# Altium PCB PCB2.PcbDoc (part 1 of 3) (continued)
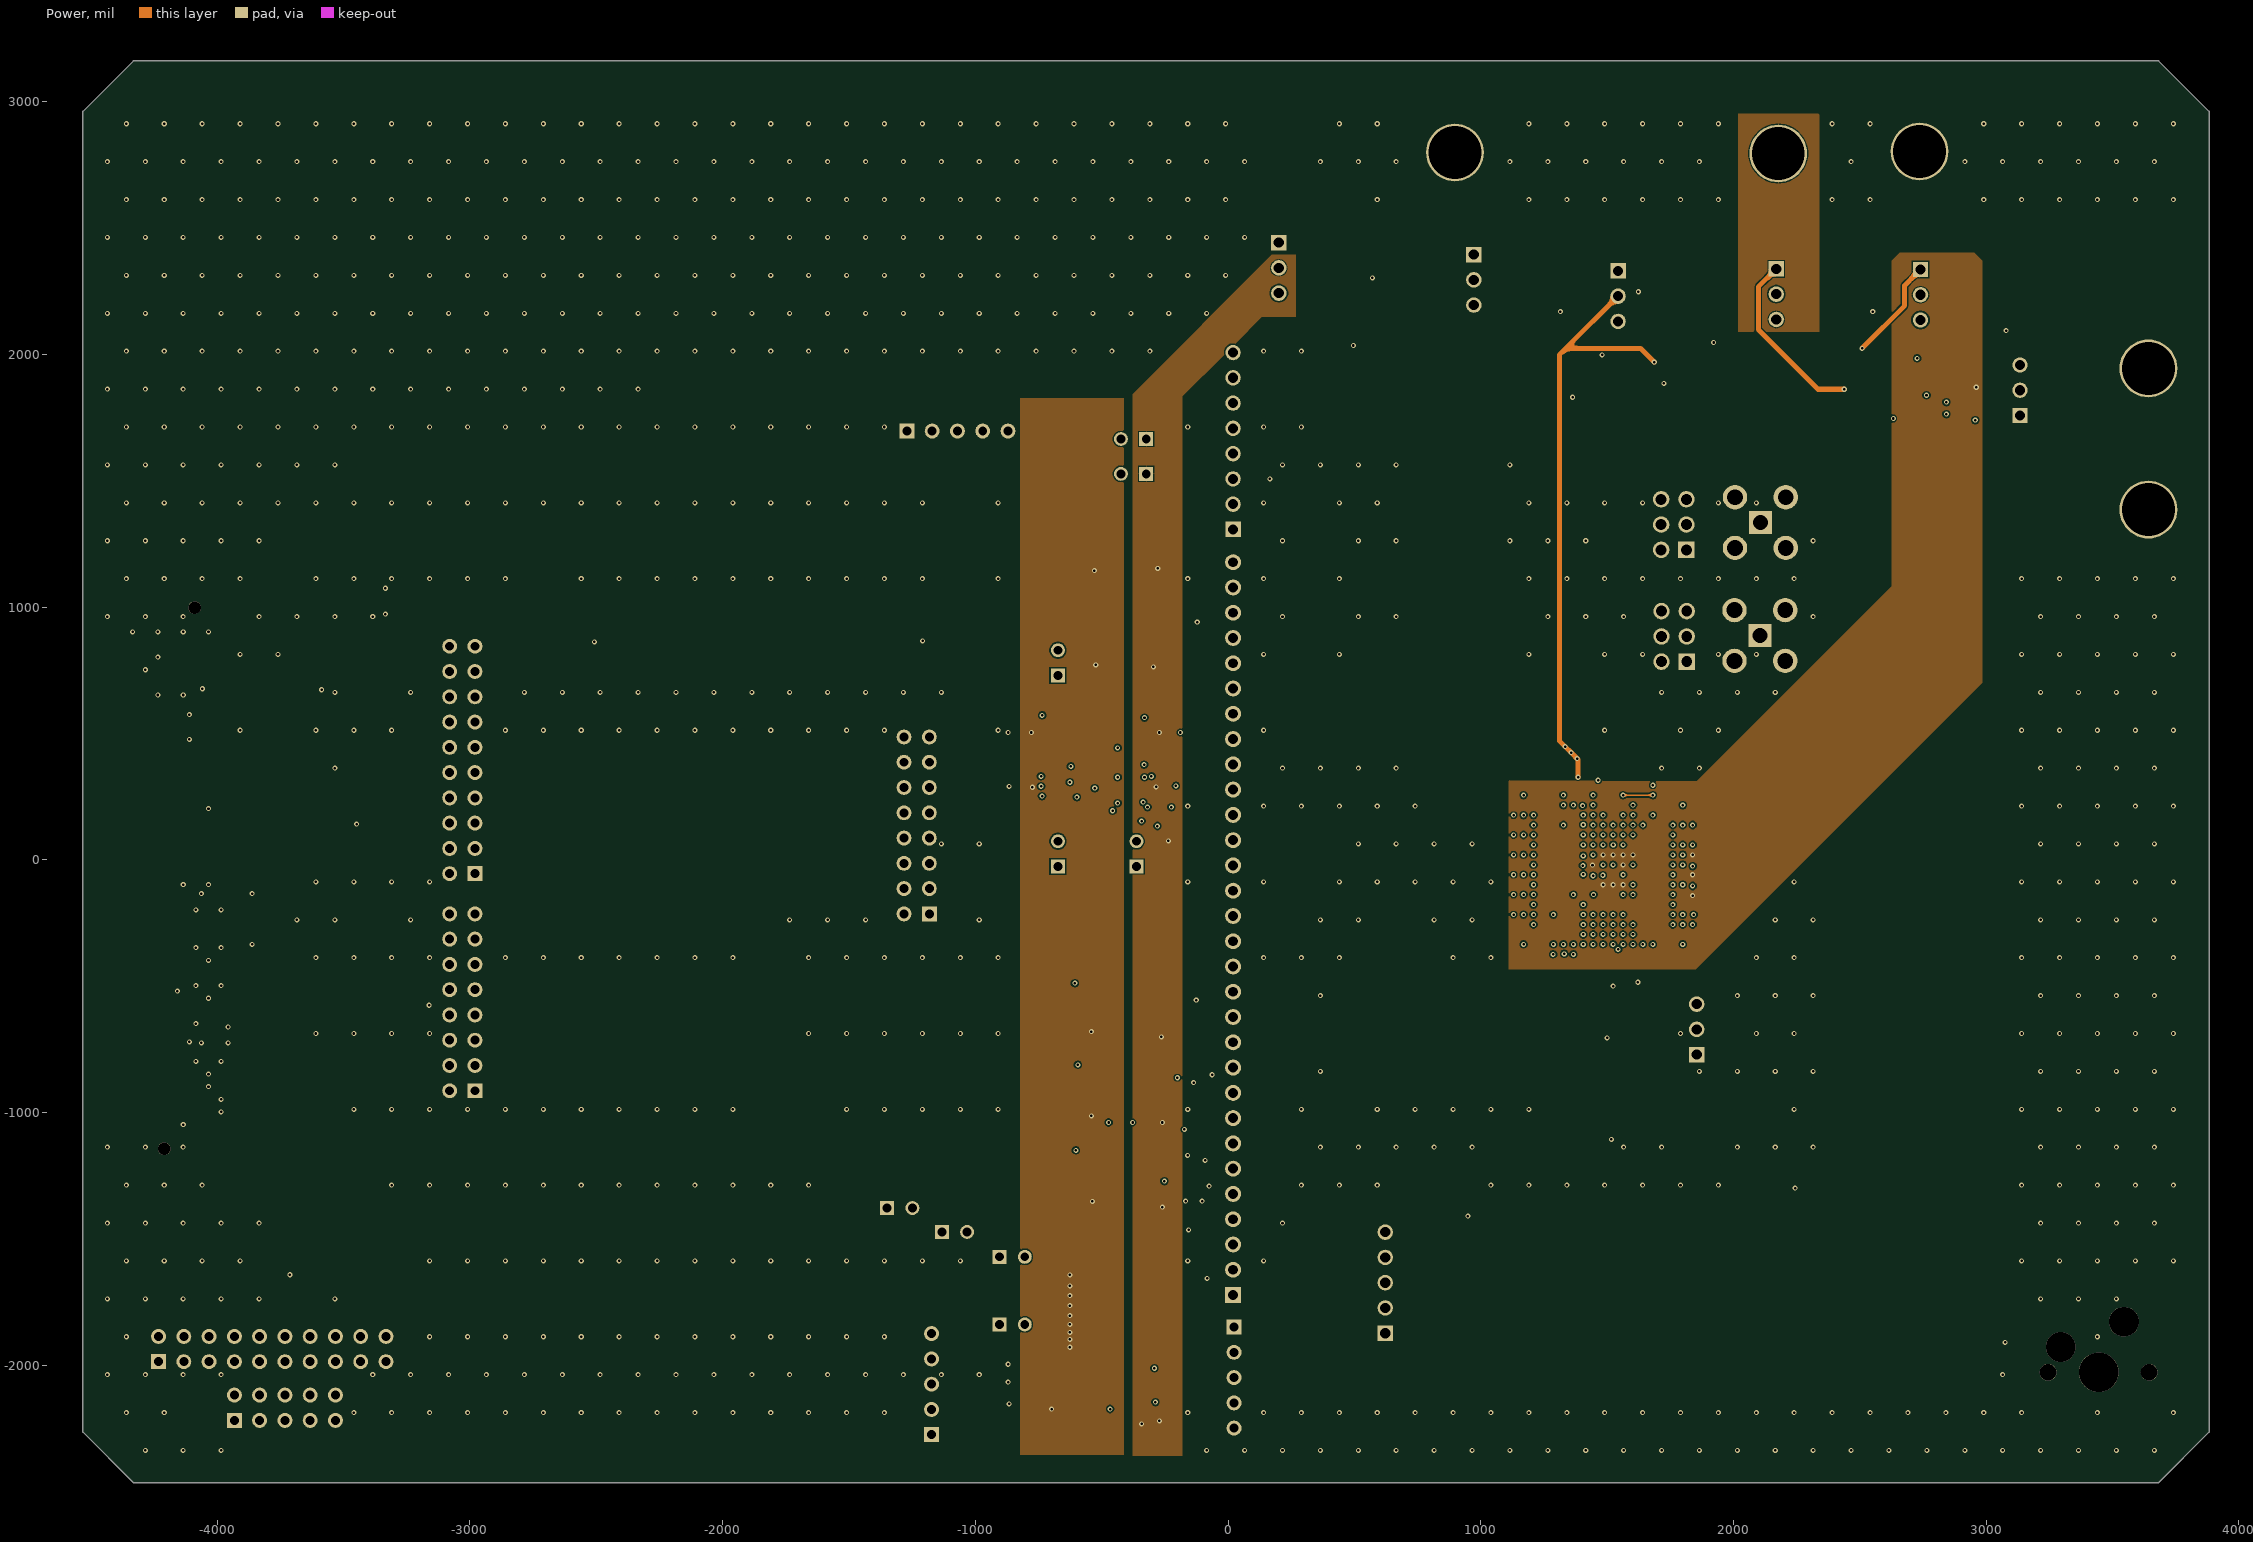
[diagram p4: Power]
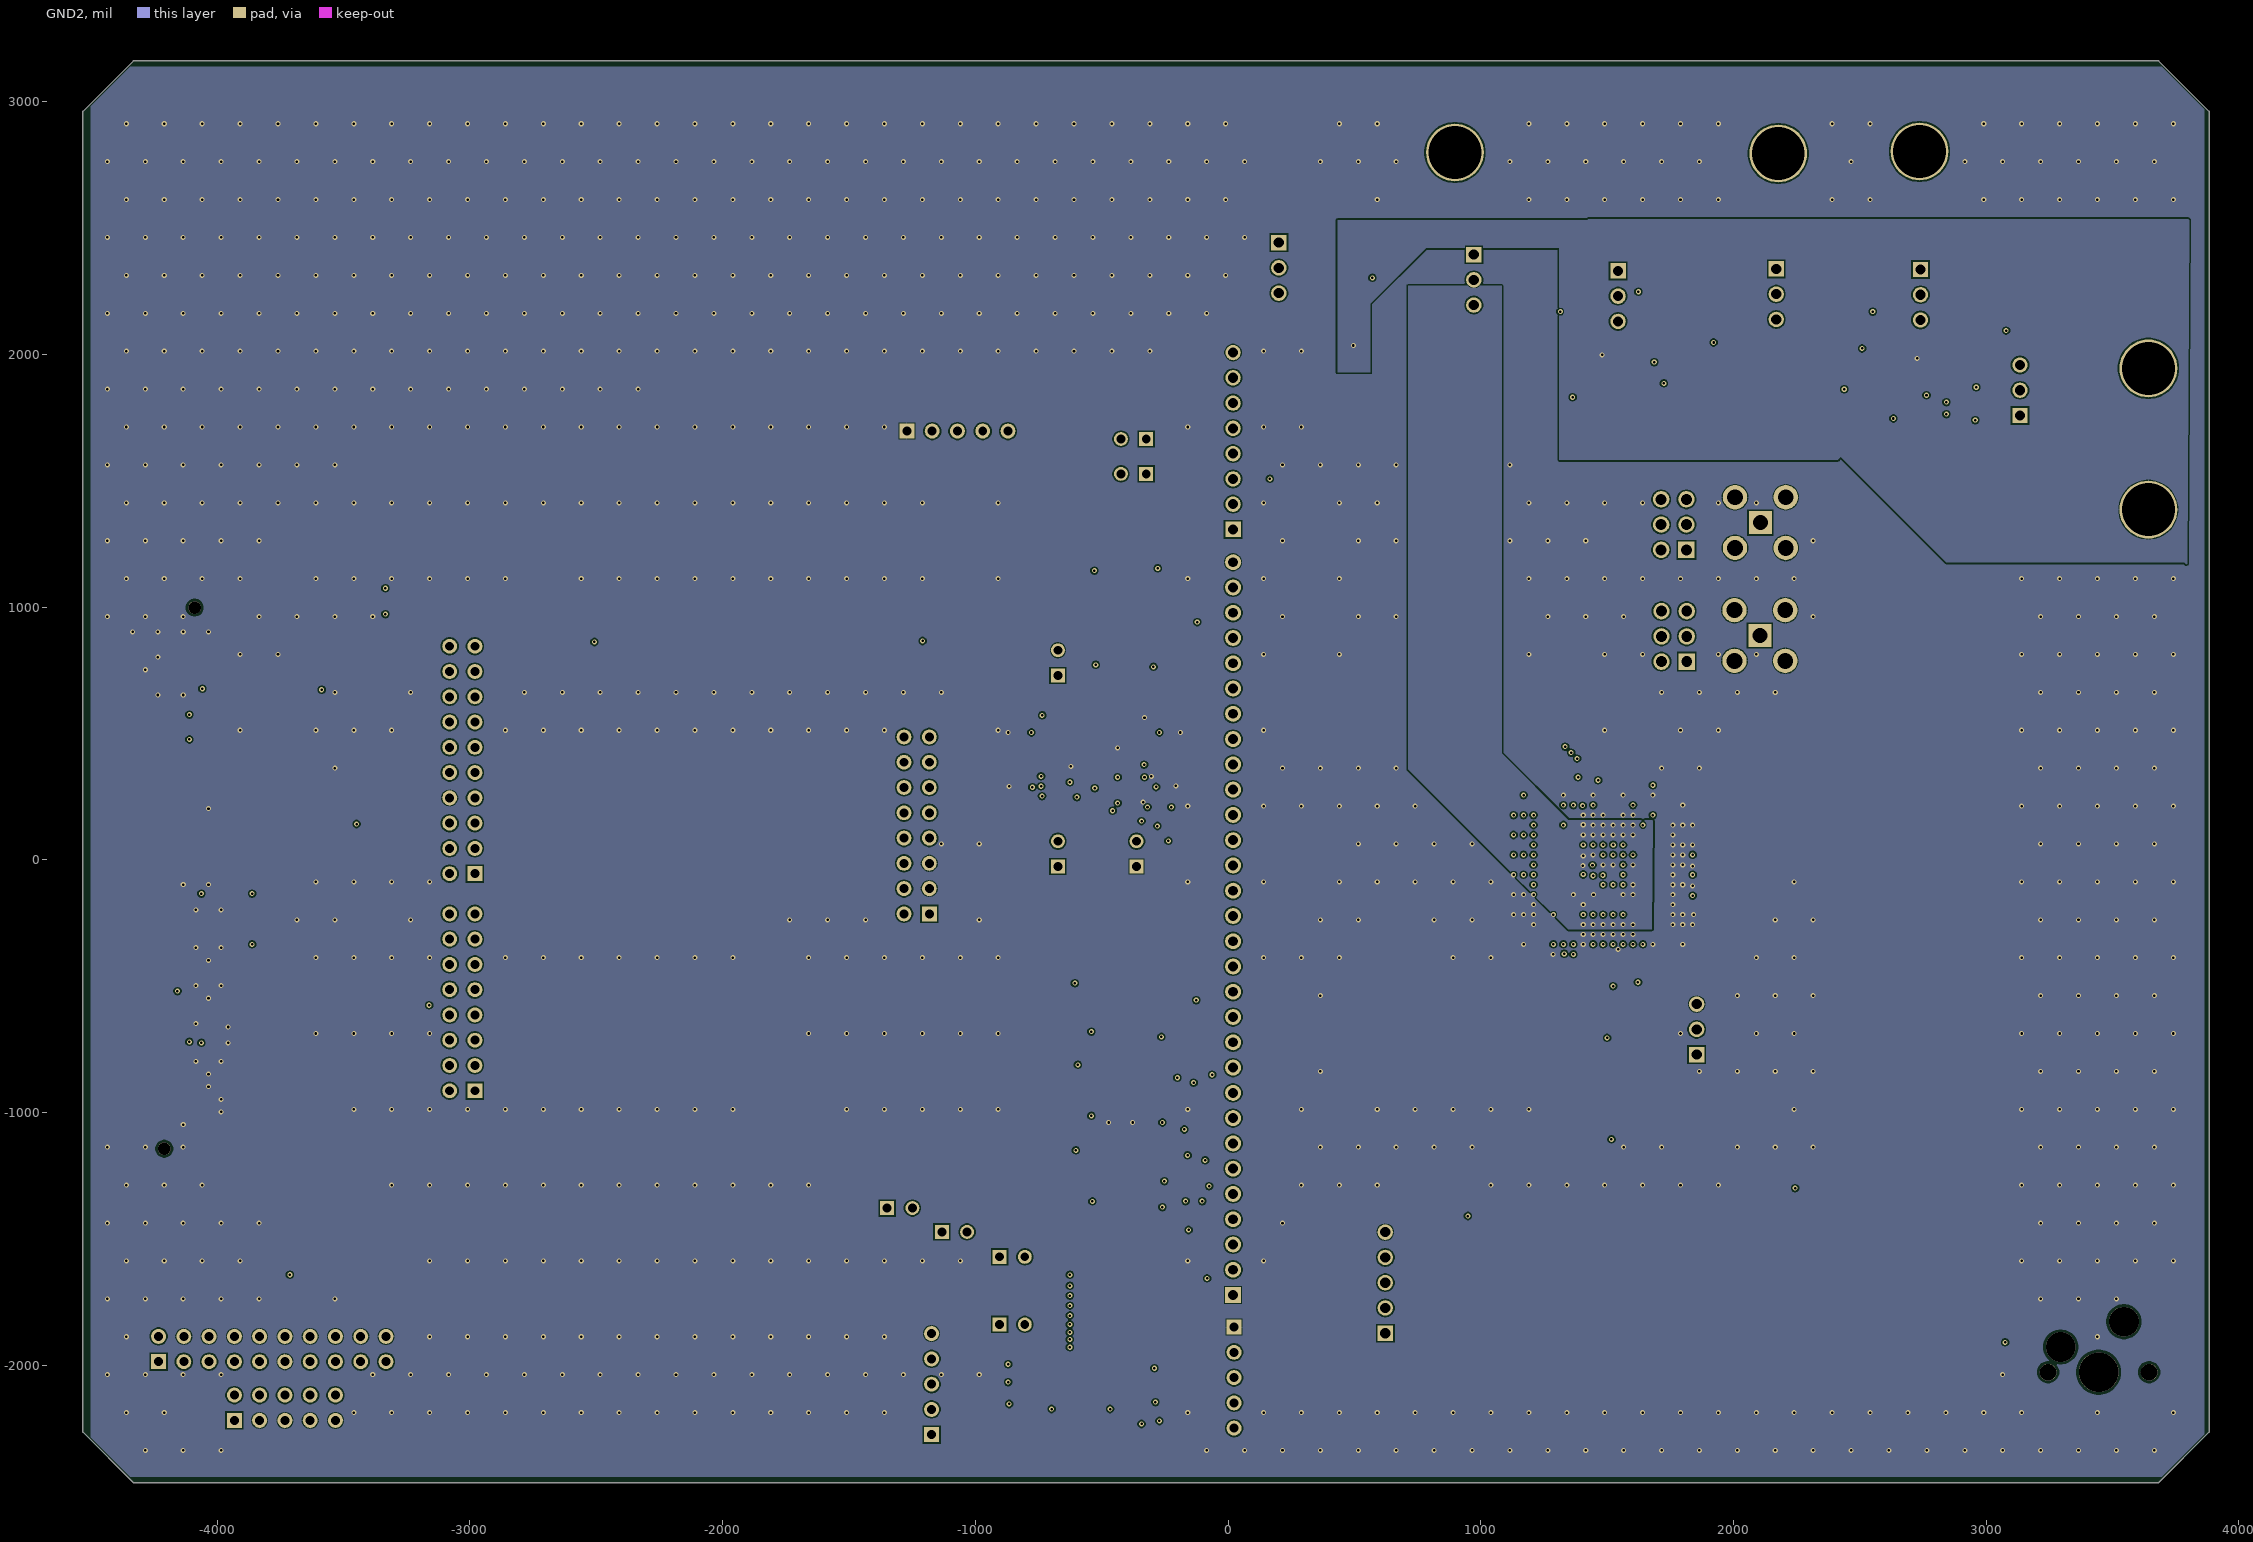
[diagram p5: GND2]
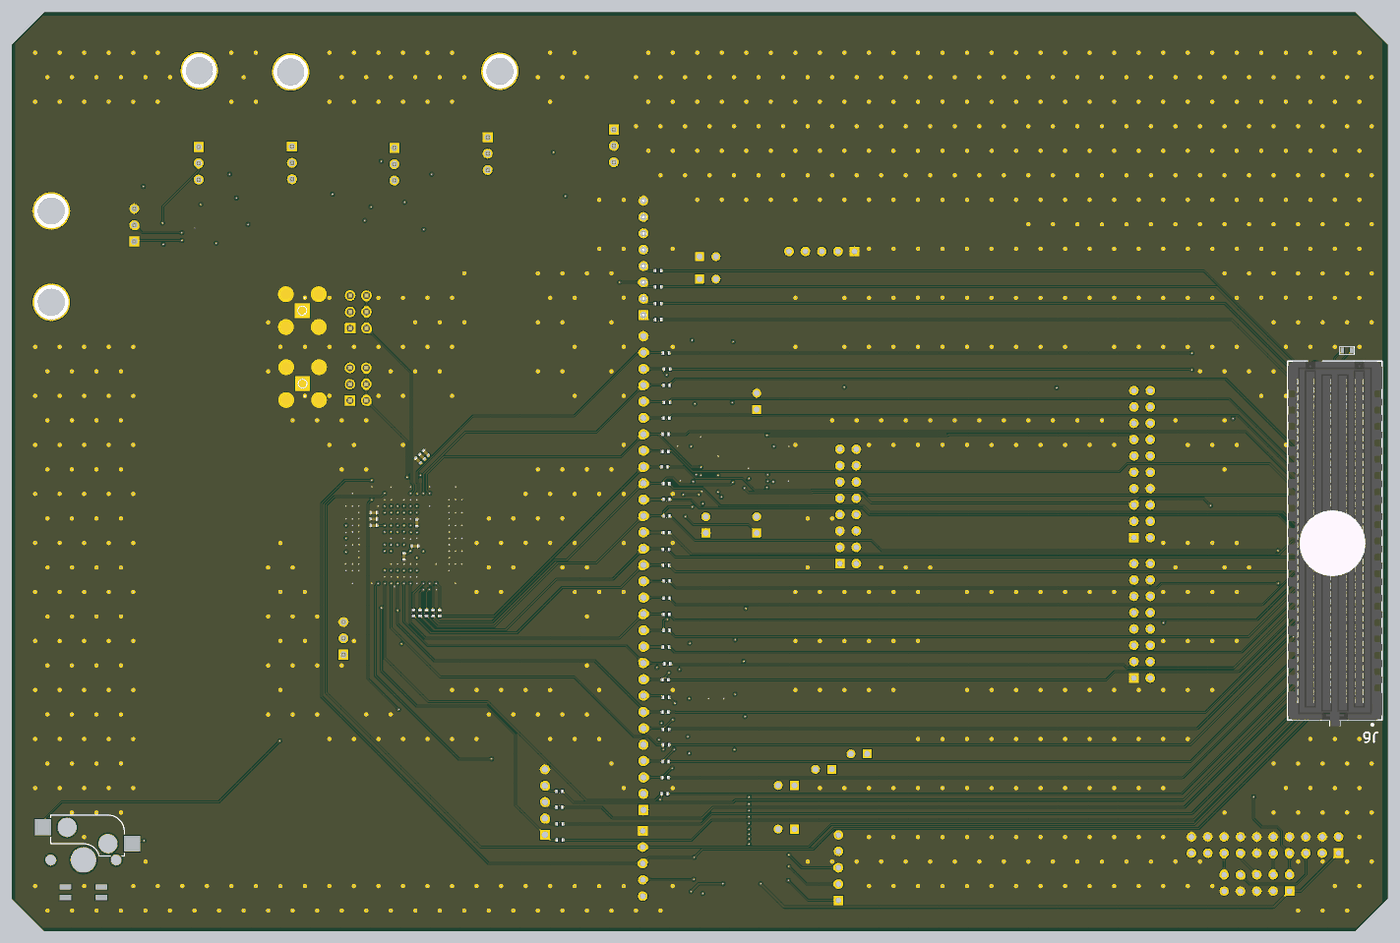
[diagram p8: 3D render of the assembled board from below, using the file's embedded part models]

## Layer stack, top to bottom
Top Solder: solder mask 0.4, Solder Resist, Dk 3.5
Top Layer: signal copper 0.689
Dielectric 2: prepreg 7, PP-013, Dk 4.3
GND1: signal copper 1.378
Dielectric 4: core 14, Core-032, Dk 4.7
Misc: signal copper 1.378
Dielectric 1: prepreg 10, PP-013, Dk 4.3
Power: signal copper 1.378
Dielectric 5: core 14, Core-032, Dk 4.7
GND2: signal copper 1.378
Dielectric 3: prepreg 7, PP-013, Dk 4.3
Bottom Layer: signal copper 0.689
Bottom Solder: solder mask 0.4, Solder Resist, Dk 3.5

## Board outline
-4531.5,-2264.57 -4531.5,2961.42 -4331.5,3161.42 3681.89,3161.42 3881.89,2961.42 3881.89,-2264.57 3681.89,-2464.57 -4331.5,-2464.57

## Design rules (kind name [scope] priority, off if disabled: settings)
BoardOutlineClearance [All] p1: gap=7.87 ignorepadtopadclearanceinfootprint=FALSE
Clearance [All] p1: gap=6 ignorepadtopadclearanceinfootprint=FALSE except(5: Arc-SMDPad Track-SMDPad; 9.84: Arc-Hole Track-Hole SMDPad-Hole THPad-Hole Via-Hole Fill-Hole Poly-Hole Region-Hole Text-Hole)
ComponentClearance [All] p1: gap=3.5 collisioncheckmode=3 verticalgap=3.5 showdistances=TRUE
DiffPairsRouting [All] p1: maxlimit=3.5 minlimit=3.5 mostfreqgap=3.5 toplayer_minwidth=3.5 toplayer_maxwidth=71497.94 toplayer_prefwidth=3.5 midlayer1_minwidth=3.5 midlayer1_maxwidth=71497.94 midlayer1_prefwidth=3.5 midlayer2_minwidth=3.5 midlayer2_maxwidth=71497.94 midlayer2_prefwidth=3.5 midlayer3_minwidth=3.5 midlayer3_maxwidth=71497.94 midlayer3_prefwidth=3.5 midlayer4_minwidth=3.5 midlayer4_maxwidth=71497.94 midlayer4_prefwidth=3.5 bottomlayer_minwidth=3.5 bottomlayer_maxwidth=71497.94 bottomlayer_prefwidth=3.5 maxuncoupledlength=500
Height [All] p1: minheight=0 maxheight=71497.94 prefheight=500
HoleSize [All] p1: absolutevalues=TRUE maxlimit=248.03 minlimit=7.87 maxpercent=80.000 minpercent=20.000
HoleToHoleClearance [All] p1: gap=9.84 allowstackedmicrovias=FALSE
MinimumAnnularRing [All] p1: minimumring=3
MinimumSolderMaskSliver [All] p1: minsoldermaskwidth=0
PlaneClearance [All] p1: clearance=3.5
PlaneConnect PlaneConnectPowerPads [InPadClass('PowerPads')] p1: planeconnectstyle=Direct reliefexpansion=20 reliefentries=4 reliefconductorwidth=10 reliefairgap=10
PlaneConnect [All] p2: pad.planeconnectstyle=Relief pad.reliefexpansion=11.81 pad.reliefentries=4 pad.reliefconductorwidth=3.5 pad.reliefairgap=3.5 via.planeconnectstyle=Direct via.reliefexpansion=11.81 via.reliefentries=4 via.reliefconductorwidth=5 via.reliefairgap=5
PolygonConnect PolygonConnectPowerPads [All vs (InPadClass('PowerPads'))] p1: connectstyle=Direct reliefconductorwidth=10 reliefentries=4 polygonreliefangle="90 Angle" airgapwidth=10
PolygonConnect [All] p2: thpad.connectstyle=Relief thpad.reliefconductorwidth=3.5 thpad.reliefentries=4 thpad.polygonreliefangle="90 Angle" thpad.airgapwidth=3.5 smdpad.connectstyle=Relief smdpad.reliefconductorwidth=3.5 smdpad.reliefentries=4 smdpad.polygonreliefangle="90 Angle" smdpad.airgapwidth=3.5 via.connectstyle=Direct via.reliefconductorwidth=5 via.reliefentries=4 via.polygonreliefangle="90 Angle" via.airgapwidth=5
RoutingVias [All] p1: holewidth=10 width=20 viastyle="Through Hole" minholewidth=7.87 minwidth=17.72 maxholewidth=248.03 maxwidth=257.87
SilkToSilkClearance [All] p1: silktosilkclearance=0
SilkToSolderMaskClearance [IsPad] p1: minsilkscreentomaskgap=3.5 clearancetoexposedcopper=TRUE
SolderMaskExpansion [All] p1: expansion=2.95 istentingtop=FALSE
Width [All] p1: maxlimit=71497.94 minlimit=3.5 preferedwidth=3.5
20 further rules are at their usual default settings.

## Classes and differential pairs
component class "Power Supply": C1 C2 C3 C4 C5 C6 C7 C8 C9 C10 C11 C12 C13 C14 C15 C16 C17 C18 C19 C20 C21 C22 C23 C24 C25 C26 C27 C28 C29 C30 C31 C32 C33 C34 C35 C36 C37 C38 D1 D2 D3 D4 D5 J1 J2 J3 J4 J5 P1 P2 P3 P4 P5 P6 Q1 Q2 Q3 Q4 Q5 R1 R2 R3 R4 R5 R6 R7 R8 R9 R10 R11 R12 R13 R14 R15 R16 R17 R18 R19 R20 R21 R22 R23 R24 R25 R26 R27 R28 R29 R30 R31 R32 R33 R34 U1 U2 U3 U4 U5 U6 U7
component class "IO Sheet": C39 C40 C41 C42 C43 C44 C45 C46 C47 C48 C49 C50 C51 C52 C53 C54 IC1 IC2 IC3 IC4 IC5 IC6 P7 P8 P9 P10 P11 P12 P13 P14 P15 P16 P17 P18 P19 P20 P21 P22 P23 R35 R36 R37 R38 R39 R40 R41 R42 U8
component class Chip: *1 *2 C55 H1 H2 J6 J7 J8 J9 P24 P25 P26 R43 R44 R45 R46 R47 R48 R49 R50 R51 R52 R53 R54 R55 R56 R57 R58 R59 R60 R61 R62 R63 R64 R65 R66 R67 R68 R69 R70 R71 R72 R73 R75 R76 R77 R78 R79 R80 R81 R82 R83 R84 R85 R86 R87 R88

## Components (designator, comment, footprint, x,y, rotation, side; value= is the part's Value field where it differs from the comment)
*1 "Cherry_Hotswap_LED" "New footprint 1" 3444.88,-2027.56 r0 top
*2 "BearlyML" BGA324x18 1149.61,275.59 r0 top locked
C1 "Cap" 0603 2539.37,1712.6 r180 top value=0.1uF
C2 "Cap" 0603 2661.42,1712.6 r180 top value=0.1uF
C3 "Cap" 0805 2417.32,2023.62 r180 top value=10uF
C4 "Cap" 0603 2421.26,1937.01 r180 top value=0.1uF
C5 "Cap" 0805 2216.54,2488.19 r270 top value=10uF
C6 "Cap" 0603 2137.8,2488.19 r270 top value=0.1uF
C7 "Cap" 0603 2440.94,2444.88 r180 top value=1nF
C8 "Cap" 0603 1251.97,1787.4 r180 top value=0.1uF
C9 "Cap" 0603 1421.26,1712.6 r180 top value=0.1uF
C10 "Capacitor 100nF +/-20% 10V 0402" CAPC0402(1005)60_L 1669.29,19.69 r0 bottom value=100nF
C11 "Capacitor 1µF +/-20% 10V 0402" CAPC0402(1005)60_L 1669.29,98.43 r0 bottom value=1µF
C12 "Capacitor 10µF +/-40% 6.3V 0402" CAPC0402(1005)60_L 1669.29,59.06 r0 bottom value=10µF
C13 "Cap" 0805 2917.32,2039.37 r180 top value=10uF
C14 "Cap" 0603 2913.39,1952.76 r180 top value=0.1uF
C15 "Cap" 0805 2791.34,2484.25 r270 top value=10uF
C16 "Cap" 0603 2708.66,2484.25 r270 top value=0.1uF
C17 "Cap" 0603 3011.81,2444.88 r180 top value=1nF
C18 "Cap" 0805 1232.28,2110.24 r180 top value=10uF
C19 "Cap" 0603 1232.28,2031.5 r180 top value=0.1uF
C20 "Cap" 0805 1015.75,2539.37 r270 top value=10uF
C21 "Cap" 0603 933.07,2539.37 r270 top value=0.1uF
C22 "Capacitor 100nF +/-20% 10V 0402" CAPC0402(1005)60_L 1484.25,-169.29 r270 bottom value=100nF
C23 "Capacitor 1µF +/-20% 10V 0402" CAPC0402(1005)60_L 1417.32,-106.3 r180 bottom value=1µF
C24 "Capacitor 10µF +/-40% 6.3V 0402" CAPC0402(1005)60_L 1405.51,35.43 r90 bottom value=10µF
C25 "Cap" 0603 1236.22,2507.87 r180 top value=1nF
C26 "Cap" 0805 1803.15,2027.56 r180 top value=10uF
C27 "Cap" 0603 1799.21,1944.88 r180 top value=0.1uF
C28 "Capacitor 100nF +/-20% 10V 0402" CAPC0402(1005)60_L 1374.02,440.94 r45 bottom value=100nF
C29 "Capacitor 1µF +/-20% 10V 0402" CAPC0402(1005)60_L 1350.39,464.57 r45 bottom value=1µF
C30 "Capacitor 10µF +/-40% 6.3V 0402" CAPC0402(1005)60_L 1397.64,417.32 r45 bottom value=10µF
C31 "Cap" 0805 1590.55,2472.44 r270 top value=10uF
C32 "Cap" 0603 1507.87,2480.32 r270 top value=0.1uF
C33 "Cap" 0603 1807.09,2433.07 r180 top value=1nF
C34 "Cap" 0805 473.23,2173.23 r180 top value=10uF
C35 "Cap" 0603 468.5,2094.49 r180 top value=0.1uF
C36 "Cap" 0805 251.97,2610.24 r270 top value=10uF
C37 "Cap" 0603 161.42,2598.43 r270 top value=0.1uF
C38 "Cap" 0603 480.31,2574.8 r180 top value=1nF
C39 "Cap" 0603 -255.91,287.4 r180 top value=0.1uF
C40 "Cap" 0603 -242.91,503.94 r0 top value=0.1uF
C41 "Cap" 0603 -803.15,287.4 r0 top value=0.1uF
C42 "Cap" 0603 -807.09,503.94 r180 top value=0.1uF
C43 "Cap" 0603 -530.31,-700.79 r180 top value=0.1uF
C44 "Cap" 0603 -318.9,-700.79 r180 top value=0.1uF
C45 "Cap" 0603 -527.56,-1377.95 r180 top value=0.1uF
C46 "Cap" 0603 -314.96,-1377.95 r180 top value=0.1uF
C47 "Cap" 0603 -515.75,759.84 r180 top value=0.1uF
C48 "Cap" 0603 -303.15,759.84 r180 top value=0.1uF
C49 "Cap" 0603 -519.69,1118.11 r180 top value=0.1uF
C50 "Cap" 0603 -307.09,1122.05 r180 top value=0.1uF
C51 "Cap" 0603 -480.32,-2212.6 r0 top value=0.1uF
C52 "Cap" 0603 -688.98,-2212.6 r180 top value=0.1uF
C53 "Cap" 0603 -318.9,-1039.37 r180 top value=0.1uF
C54 "Cap" 0603 -531.5,-1039.37 r180 top value=0.1uF
C55 "Cap" 0805 2933.07,-1929.13 r90 top value=10uF
D1 "LTW-C191DS5" LED0603 2625.98,2240.16 r270 top
D2 "LTW-C191DS5" LED0603 3188.98,2232.28 r270 top
D3 "LTW-C191DS5" LED0603 1409.45,2279.53 r270 top
D4 "LTW-C191DS5" LED0603 1988.19,2192.91 r270 top
D5 "LTW-C191DS5" LED0603 645.67,2346.46 r270 top
H1 "61300621121" 61300621121 1763.78,1326.77 r90 top
H2 "61300621121" 61300621121 1764.96,884.25 r90 top
IC1 "LSF0204QPWRQ1" SOP65P640X120-14N -425.2,-551.18 r180 top
IC2 "LSF0204QPWRQ1" SOP65P640X120-14N -421.26,-1220.47 r180 top
IC3 "LSF0204QPWRQ1" SOP65P640X120-14N -409.45,917.32 r180 top
IC4 "LSF0204QPWRQ1" SOP65P640X120-14N -413.39,1267.72 r180 top
IC5 "LSF0204QPWRQ1" SOP65P640X120-14N -582.68,-2051.18 r180 top
IC6 "LSF0204QPWRQ1" SOP65P640X120-14N -425.2,-885.83 r180 top
J1 "575-8" KSTN-575-8 3641.73,1385.83 r90 top
J2 "575-8" KSTN-575-8 2177.17,2795.28 r0 top
J3 "575-8" KSTN-575-8 2736.22,2803.15 r0 top
J4 "575-8" KSTN-575-8 897.64,2799.21 r0 top
J5 "575-8" KSTN-575-8 3641.73,1944.88 r0 top
J6 "ASP-134488-01" SAMTEC_ASP-134488-01 -4209.65,-72.64 r270 bottom locked
J7 "PPPC081LFBN-RC" SLIN-PPPC081LFBN-RC_V 19.68,1657.48 r90 top locked
J8 "Con RF SMA" FP-RF2-04A-T-00-50-G-MFG 2106.3,1334.65 r0 top
J9 "Con RF SMA" FP-RF2-04A-T-00-50-G-MFG 2104.33,887.8 r0 top
P1 "22-28-4033" MOLX-22-28-4033_V 2169.29,2238.58 r270 top
P2 "22-28-4033" MOLX-22-28-4033_V 3133.86,1858.27 r90 top
P3 "22-28-4033" MOLX-22-28-4033_V 2740.16,2236.22 r270 top
P4 "22-28-4033" MOLX-22-28-4033_V 972.44,2295.28 r270 top
P5 "22-28-4033" MOLX-22-28-4033_V 1543.31,2230.71 r270 top
P6 "22-28-4033" MOLX-22-28-4033_V 200.79,2342.52 r270 top
P7 "Header 5" HDR1X5 -1270.87,1696.85 r0 top
P8 "Header 10X2" HDR2X10 -2980.32,-54.72 r90 top locked
P9 "Header 8X2" HDR2X8 -1182.32,-213.72 r90 top locked
P10 "Header 8X2" HDR2X8 -2980.32,-913.72 r90 top
P11 "5-146280-2" TECO-5-146280-2_V -673.23,779.53 r90 top
P12 "5-146280-2" TECO-5-146280-2_V -673.23,23.62 r90 top
P13 "5-146280-2" TECO-5-146280-2_V -362.2,23.62 r90 top
P14 "5-146280-2" TECO-5-146280-2_V -1299.21,-1377.95 r0 top
P15 "Header 10X2" HDR2X10 -4232.28,-1985.83 r0 top
P16 "5-146280-2" TECO-5-146280-2_V -854.33,-1570.87 r0 top
P17 "5-146280-2" TECO-5-146280-2_V -374.02,1527.56 r180 top
P18 "Header 5" HDR1X5 23.62,-1848.82 r270 top
P19 "Header 5" HDR1X5 -1173.23,-2274.8 r90 top
P20 "5-146280-2" TECO-5-146280-2_V -374.02,1665.35 r180 top
P21 "Header 5X2" HDR2X5 -3932.28,-2218.11 r0 top
P22 "5-146280-2" TECO-5-146280-2_V -854.33,-1838.58 r0 top
P23 "5-146280-2" TECO-5-146280-2_V -1082.68,-1472.44 r0 top
P24 "Header 30" HDR1X30 19.68,-1722.05 r90 top locked
P25 "77311-462K05LF" FCI-77311-5_V 622.05,-1673.23 r90 top
P26 "22-28-4033" MOLX-22-28-4033_V 1854.33,-670.87 r90 top
Q1 "FDV301N" FP-318-08-MFG 2584.65,2389.76 r90 top
Q2 "FDV301N" FP-318-08-MFG 3153.54,2381.89 r90 top
Q3 "FDV301N" FP-318-08-MFG 1370.08,2444.88 r90 top
Q4 "FDV301N" FP-318-08-MFG 1956.69,2338.58 r90 top
Q5 "FDV301N" FP-318-08-MFG 606.3,2503.94 r90 top
R1 "Res1" 0603 2539.37,1937.01 r0 top value=1K
R2 "Res1" 0603 2906.69,1874.02 r180 top value=1K
R3 "Res1" 0603 2539.37,1862.2 r0 top value=1K
R4 "Res1" 0603 2905.51,1724.41 r180 top value=1K
R5 "Res1" 0603 2326.77,2444.88 r180 top value=704.9K
R6 "Res1" 0603 2670.47,1984.25 r0 top value=0.05
R7 "Res1" 0603 2539.37,1787.4 r180 top value=1K
R8 "Res1" 0603 2535.43,2240.16 r90 top value=10K
R9 "Res1" 0603 2783.46,1984.25 r180 top value=0.05
R10 "Res1" 0603 2905.51,1799.21 r0 top value=1K
R11 "Res1" 0603 2326.77,2527.56 r0 top value=100K
R12 "Res1" 0603 2578.74,2122.05 r0 top value=110
R13 "Res1" 0603 1251.97,1937.01 r0 top value=1K
R14 "Res1" 0603 1657.48,1913.39 r180 top value=1K
R15 "Res1" 0603 1251.97,1862.2 r0 top value=1K
R16 "Res1" 0603 1657.48,1838.58 r180 top value=1K
R17 "Res1" 0603 2897.64,2444.88 r180 top value=339K
R18 "Res1" 0603 1421.26,2000 r0 top value=0.05
R19 "Res1" 0603 3098.43,2232.28 r90 top value=10K
R20 "Res1" 0603 1543.31,2000 r180 top value=0.05
R21 "Res1" 0603 2897.64,2519.69 r0 top value=100K
R22 "Res1" 0603 3131.1,2125.98 r0 top value=110
R23 "Res1" 0603 1125.98,2507.87 r180 top value=95.2K
R24 "Res1" 0603 1334.65,2283.46 r90 top value=10K
R25 "Res1" 0603 1125.98,2582.68 r0 top value=100K
R26 "Res1" 0603 1366.14,2169.29 r0 top value=165
R27 "Res1" 0603 1692.91,2437.01 r180 top value=95.2K
R28 "Res1" 0603 1917.32,2192.91 r90 top value=10K
R29 "Res1" 0603 1696.85,2511.81 r0 top value=100K
R30 "Res1" 0603 1948.82,2086.61 r0 top value=165
R31 "Res1" 0603 370.08,2574.8 r180 top value=339K
R32 "Res1" 0603 570.87,2350.39 r90 top value=10K
R33 "Res1" 0603 370.08,2653.54 r0 top value=100K
R34 "Res1" 0603 598.43,2224.41 r0 top value=110
R35 "Res1" 0603 -283.46,-1964.57 r0 top value=4.7K
R36 "Res1" 0603 -283.46,-2043.31 r0 top value=4.7K
R37 "Res1" 0603 -283.46,-2118.11 r0 top value=4.7K
R38 "Res1" 0603 -282.28,-2192.91 r0 top value=4.7K
R39 "Res1" 0603 -877.95,-2181.1 r180 top value=4.7K
R40 "Res1" 0603 -877.95,-2098.43 r180 top value=4.7K
R41 "Res1" 0603 -877.95,-2023.62 r180 top value=4.7K
R42 "Res1" 0603 -877.95,-1944.88 r180 top value=4.7K
R43 "0R2J" RESC0402(1005)_L 531.5,-1905.51 r180 bottom value=0
R44 "0R2J" RESC0402(1005)_L 531.5,-1807.09 r180 bottom value=0
R45 "0R2J" RESC0402(1005)_L 533.46,-1704.72 r180 bottom value=0
R46 "0R2J" RESC0402(1005)_L 533.46,-1606.3 r180 bottom value=0